# Altium PCB PCB_v4.PcbDoc (part 6 of 7) (continued)
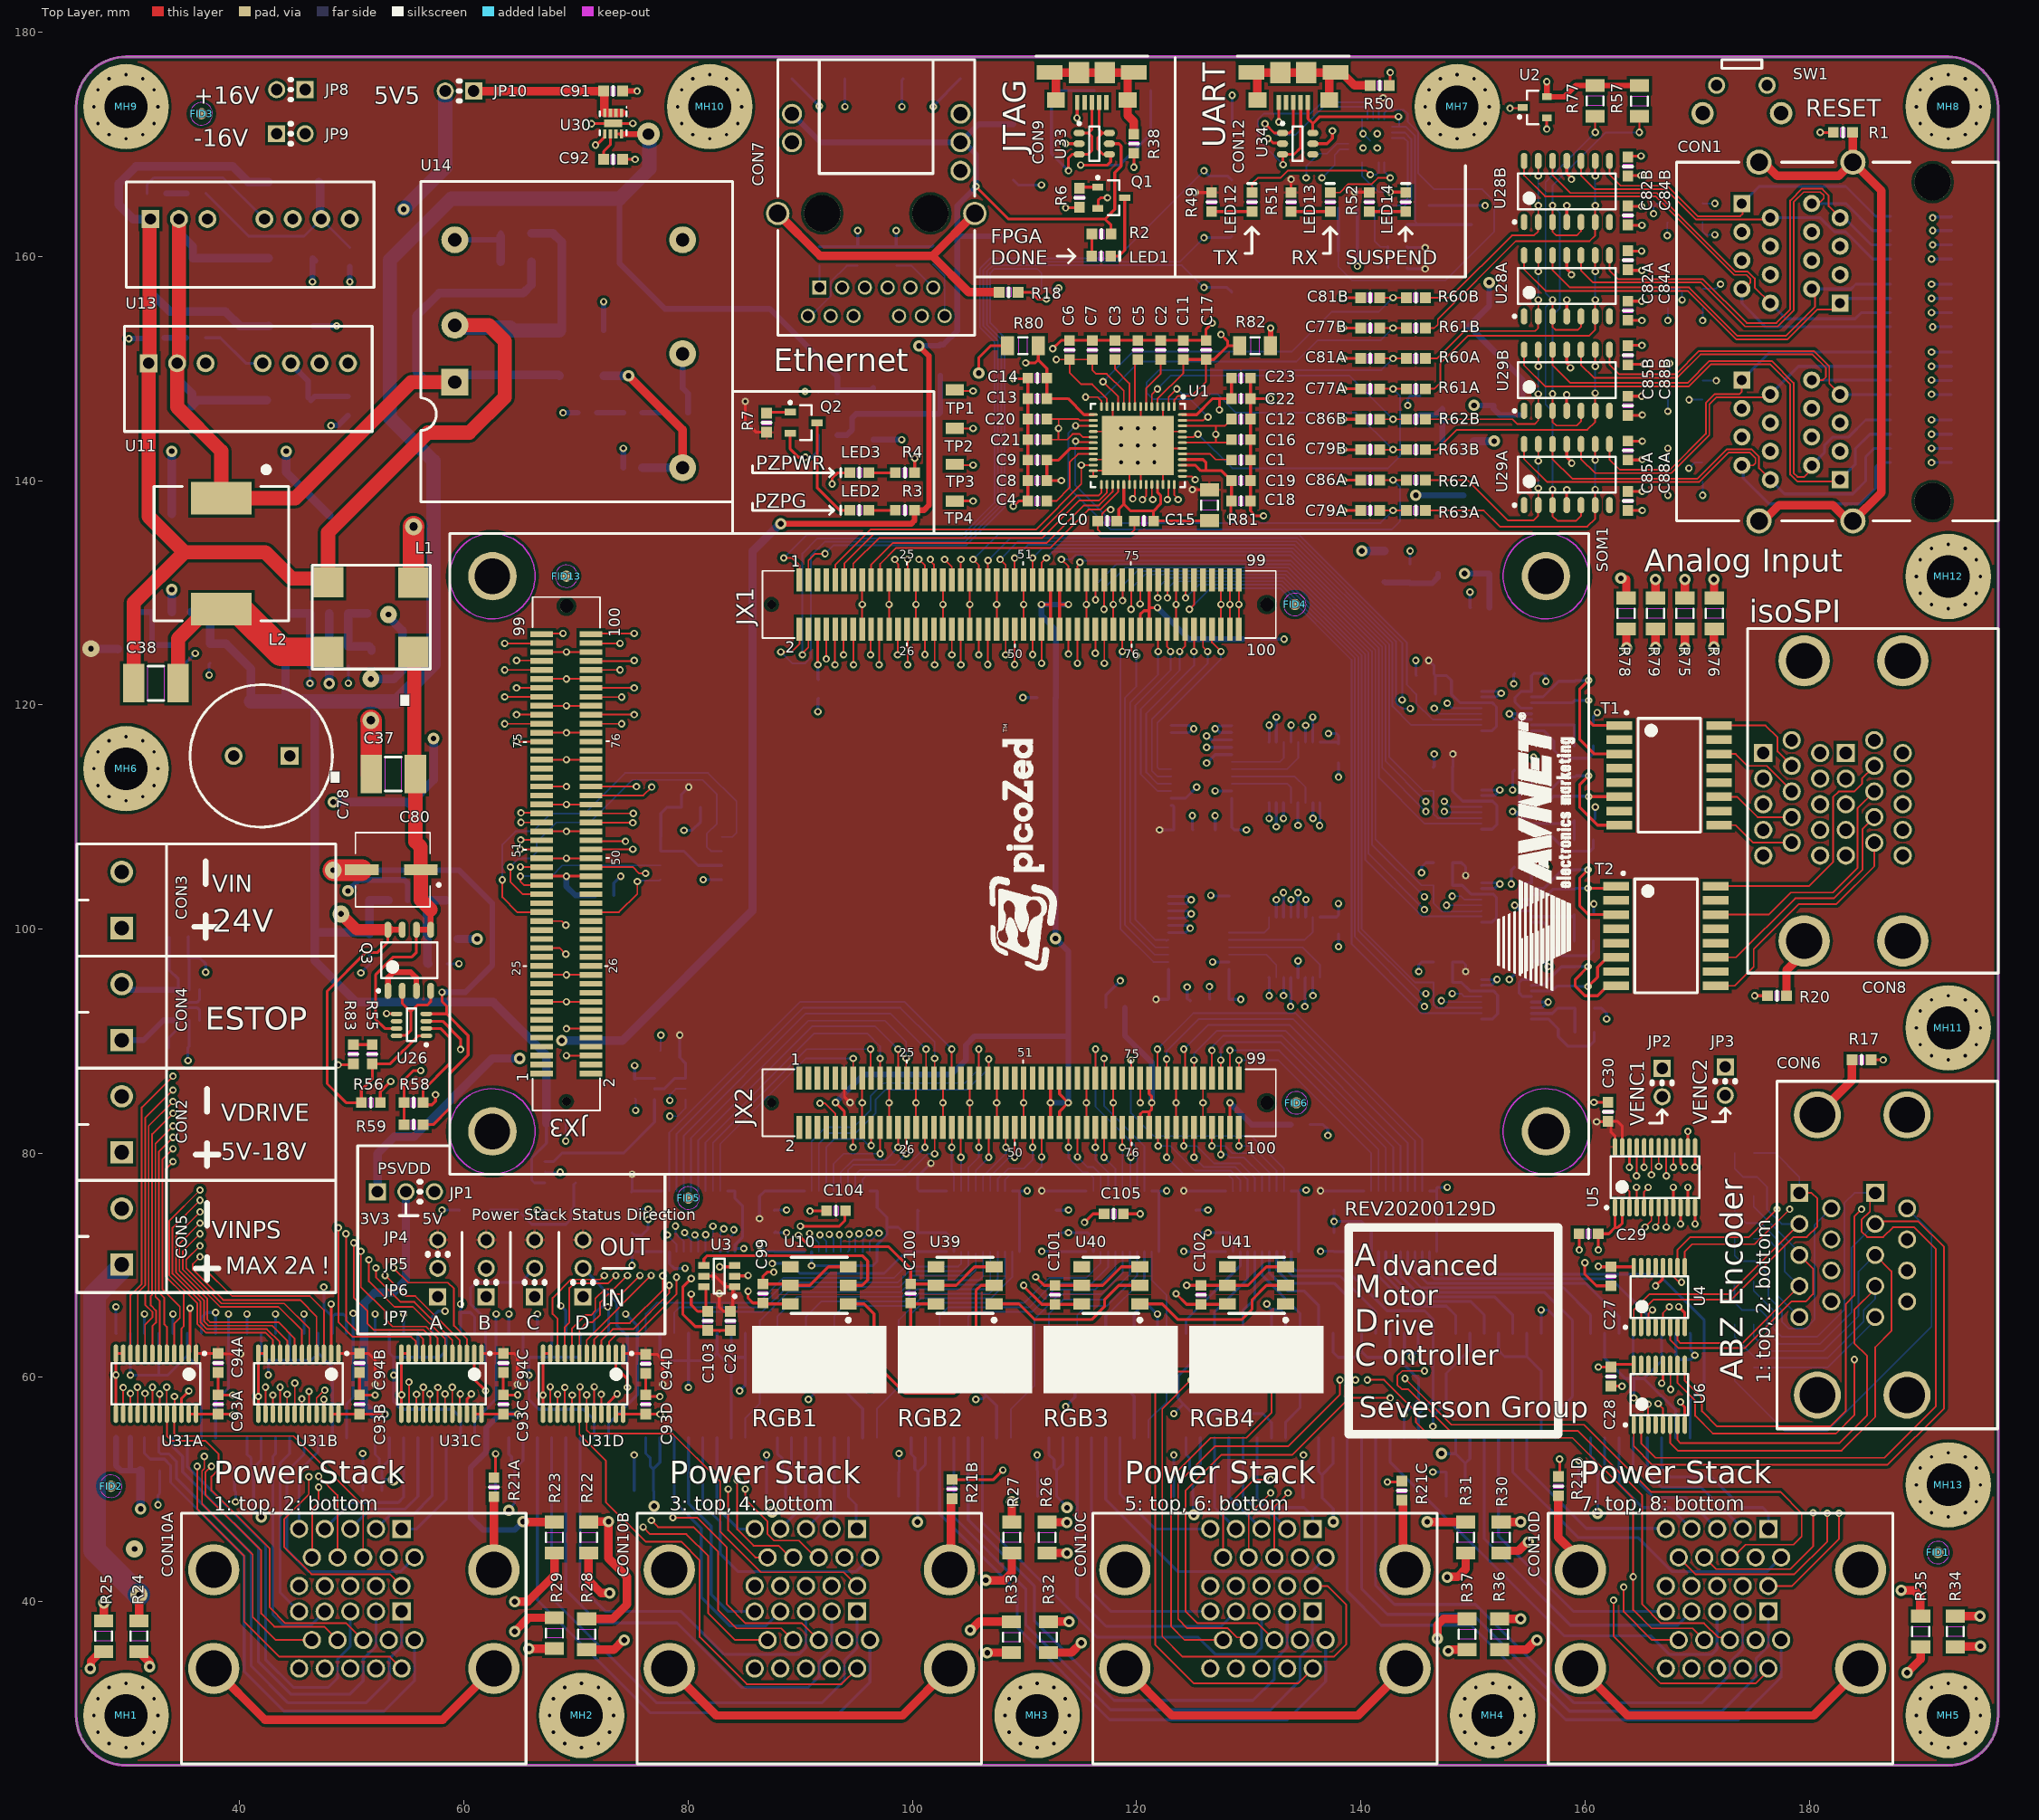
[diagram p0: Top Layer view]
## Nets (pads, with @x,y where several pads share a name; then routed paths per layer and width w, separated by ;. In a path a pad name is that pad's centre, name@x,y a point inside that pad or via, vN(x,y) a via of type N, cw(c..) or ccw(c..) an arc to the next point about the centre after c; other vN are vias at no path point) (continued)
NetR43_1: R43.1 R44.2 | length 2.4
  Bottom Layer w0.508: R44.2@75.907,146.063 R43.1@78.271,146.063
NetR43_2: R43.2 U14.5 | length 5.4
  Bottom Layer w0.508: U14.5@79.502,151.317 79.502,148.243 79.971,147.774 R43.2@79.971,146.063
NetR44_1: R44.1 R45.2 | length 2.4
  Bottom Layer w0.508: R45.2@71.843,146.063 R44.1@74.207,146.063
NetR46_1: R46.1 R47.1 U14.3 | length 6.8
  Bottom Layer w0.508: U14.3@59.182,161.477 62.947,161.477 63.268,161.798 R47.1@63.268,162.052
  Bottom Layer w0.762: R46.1@63.268,159.512 R47.1@63.268,161.798
NetR48_1: R48.1 U22.8 | length 10.9
  Bottom Layer w0.152: R48.1@142.41,162.777 142.41,163.605 142.762,163.957 143.356,163.957 144.499,165.1 144.499,170.465 143.907,171.057 U22.8@142.768,171.057
NetR53_2: R53.2 R54.2 U22.9 | length 15.8
  Bottom Layer w0.152: R54.2@142.41,160.853 141.753,160.853 141.224,161.382 141.224,163.736 142.021,164.533 143.501,164.533 144.194,165.226 144.194,170.223 143.86,170.557 U22.9@142.768,170.557
  Bottom Layer w0.254: R53.2@142.41,158.968 R54.2@142.41,160.853
NetR55_2: R55.2 R83.2 | length 1.7
  Top Layer w0.254: R83.2@50.126,89.68 R55.2@51.816,89.68
NetR56_2: R56.2 U26.5 | length 9.4
  Top Layer w0.254: R56.2@52.539,84.512 52.539,85.478 v1(53.467,86.406) ; v1(53.086,92.456) 53.954,92.456 U26.5@53.985,92.425
  Int3 (Sign) w0.254: v1(53.086,92.456) 53.086,89.601 53.467,89.22 v1(53.467,86.406)
NetR57_1: R57.1 R77.1 R82.1 U2.2 | length 49.7
  Top Layer w0.508: R82.1@131.931,152.031 131.953,152.053 v1(131.953,153.605) ; v1(156.588,175.586) U2.2@156.588,174.24 158.161,174.24 159.169,175.248 R77.1@160.909,175.248 ; R77.1@160.914,175.243 R57.1@164.841,175.243
  Top Layer w0.762: R77.1@160.909,175.248 R77.1@160.914,175.243 ; R57.1@164.841,175.243 R57.1@164.846,175.238
  Int2 (Sign) w0.508: v1(131.953,153.605) 131.953,156.845 137.033,161.925 143.316,161.925 147.09,165.699 150.919,165.699 155.448,170.228 155.448,174.446 v1(156.588,175.586)
NetR58_1: R58.1 R59.1 U26.3 | length 14.8
  Top Layer w0.254: R59.1@54.649,82.55 R58.1@54.649,84.512 54.649,86.526 55.499,87.376 v1(56.134,87.376) ; U26.3@56.635,91.775 58.096,91.775 59.69,90.181 v1(59.69,89.254)
  Int3 (Sign) w0.254: v1(56.134,87.376) 57.812,87.376 v1(59.69,89.254)
NetR58_2: R58.2 R83.1 U26.2 | length 22.3
  Top Layer w0.254: v1(48.768,87.884) 50.03,87.884 R83.1@50.126,87.98 ; U26.2@56.635,91.125 57.901,91.125 58.718,90.308 58.718,87.976 56.349,85.607 R58.2@56.349,84.512 56.539,84.322 57.133,84.322 57.455,84.644 v1(57.455,85.217)
  Int3 (Sign) w0.254: v1(48.768,87.884) 51.435,85.217 v1(57.455,85.217)
NetU3_4: U3.4 U10.2 | length 19.1
  Top Layer w0.254: U3.4@81.396,69.985 81.396,70.562 81.7,70.866 95.518,70.866 96.005,70.379 96.005,68.7 95.517,68.212 U10.2@94.289,68.212
NetU10_1: U10.1 U39.2 | length 27.1
  Top Layer w0.254: U10.1@94.289,66.562 95.691,66.562 96.572,65.681 96.572,61.351 99.333,58.59 103.733,58.59 105.664,60.521 105.664,67.753 106.123,68.212 U39.2@107.289,68.212
NetU23A_1: U23A.1 U24A.21 | length 12.1
  Bottom Layer w0.254: U24A.21@141.579,71.214 141.579,69.041 144.261,66.359 147.636,66.359 148.463,65.532 U23A.1@148.463,63.93
NetU23A_3: U23A.3 U24A.20 | length 14
  Bottom Layer w0.254: U24A.20@142.229,71.214 142.229,69.041 144.505,66.765 149.819,66.765 151.003,65.581 U23A.3@151.003,63.93
NetU23A_5: U23A.5 U24A.19 | length 15.9
  Bottom Layer w0.254: U24A.19@142.879,71.214 142.879,69.041 144.749,67.171 151.956,67.171 153.543,65.585 U23A.5@153.543,63.93
NetU23A_9: U23A.9 U24A.18 | length 30.3
  Bottom Layer w0.254: U24A.18@143.529,71.214 143.529,69.069 145.02,67.578 156.396,67.578 158.877,65.096 158.877,58.293 157.353,56.769 U23A.9@157.353,54.61
NetU23B_1: U23B.1 U24B.21 | length 9.3
  Bottom Layer w0.254: U23B.1@124.406,63.93 124.406,65.121 129.244,69.959 U24B.21@129.244,71.214
NetU23B_3: U23B.3 U24B.20 | length 8.5
  Bottom Layer w0.254: U23B.3@126.946,63.93 126.946,65.835 129.894,68.783 U24B.20@129.894,71.214
NetU23B_5: U23B.5 U24B.19 | length 7.7
  Bottom Layer w0.254: U23B.5@129.486,63.93 129.486,65.945 130.544,67.003 U24B.19@130.544,71.214
NetU23B_9: U23B.9 U24B.18 | length 18.5
  Bottom Layer w0.254: U24B.18@131.194,71.214 131.194,69.105 134.567,65.732 134.567,57.294 133.296,56.023 U23B.9@133.296,54.61
NetU23C_1: U23C.1 U24C.21 | length 21.5
  Bottom Layer w0.152: U23C.1@99.888,63.93 99.888,65.653 100.883,66.648 109.972,66.648 112.202,68.878 115.487,68.878 116.77,70.161 116.77,71.186 U24C.21@116.798,71.214
NetU23C_3: U23C.3 U24C.20 | length 19.8
  Bottom Layer w0.152: U23C.3@102.428,63.93 102.428,65.52 103.149,66.242 110.403,66.242 112.568,68.406 116.026,68.406 117.448,69.828 U24C.20@117.448,71.214
NetU23C_5: U23C.5 U24C.19 | length 18
  Bottom Layer w0.152: U23C.5@104.968,63.93 104.968,65.432 105.371,65.835 110.647,65.835 112.655,67.843 116.325,67.843 118.098,69.616 U24C.19@118.098,71.214
NetU23C_9: U23C.9 U24C.18 | length 22.9
  Bottom Layer w0.152: U23C.9@108.778,54.61 108.778,57.144 110.871,59.237 110.871,65.187 113.121,67.437 116.869,67.437 118.749,69.317 U24C.18@118.748,71.214 U24C.18@118.748,71.214
NetU23D_1: U23D.1 U24D.21 | length 32.8
  Bottom Layer w0.152: U23D.1@76.212,63.93 76.212,65.674 77.186,66.648 86.241,66.648 88.471,68.878 98.362,68.878 99.383,69.899 104.09,69.899 104.352,70.161 U24D.21@104.352,71.214
NetU23D_3: U23D.3 U24D.20 | length 31.1
  Bottom Layer w0.152: U23D.3@78.752,63.93 78.752,65.784 79.209,66.242 86.409,66.242 88.639,68.472 98.684,68.472 99.705,69.493 104.525,69.493 105.002,69.97 U24D.20@105.002,71.214
NetU23D_5: U23D.5 U24D.19 | length 29
  Bottom Layer w0.152: U23D.5@81.292,63.93 81.325,63.963 81.325,65.411 81.749,65.835 86.578,65.835 88.808,68.065 98.852,68.065 99.873,69.086 105.14,69.086 105.652,69.598 U24D.19@105.652,71.043
NetU23D_9: U23D.9 U24D.18 | length 34.7
  Bottom Layer w0.152: U23D.9@85.102,54.61 85.102,56.377 86.389,57.664 86.389,65.071 88.922,67.605 98.967,67.605 100.042,68.68 105.967,68.68 106.302,69.014 U24D.18@106.302,71.214
NetU23E_1: U23E.1 U24E.21 | length 77.3
  Int3 (Sign) w0.152: v1(52.07,65.659) 53.365,65.659 54.102,64.922 56.814,64.922 57.423,64.313 60.445,64.313 61.435,63.322 98.897,63.322 102.247,66.672 102.247,74.44 100.843,75.844 93.821,75.844 v1(90.821,72.844)
  Bottom Layer w0.152: v1(90.821,72.844) 91.652,72.013 U24E.21@91.652,71.214
  Bottom Layer w0.254: U23E.1@52.07,63.93 v1(52.07,65.659)
NetU23E_3: U23E.3 U24E.20 | length 71.3
  Int3 (Sign) w0.152: v1(54.61,65.659) 57.264,65.659 57.895,65.028 60.895,65.028 62.296,63.627 98.192,63.627 101.549,66.984 101.549,74.135 100.145,75.54 94.577,75.54 v1(91.753,72.716)
  Bottom Layer w0.152: v1(91.753,72.716) 92.302,72.166 U24E.20@92.302,71.214
  Bottom Layer w0.254: U23E.3@54.61,63.93 v1(54.61,65.659)
NetU23E_5: U23E.5 U24E.19 | length 65.4
  Int3 (Sign) w0.152: v1(58.305,65.913) 61.283,65.913 63.264,63.932 97.31,63.932 100.711,67.332 100.711,73.89 99.367,75.235 95.062,75.235 v1(92.591,72.763)
  Bottom Layer w0.152: v1(92.591,72.763) 92.952,72.402 U24E.19@92.952,71.214
  Bottom Layer w0.254: U23E.5@57.15,63.93 57.15,65.376 57.687,65.913 v1(58.305,65.913)
NetU23E_9: U23E.9 U24E.18 | length 66.1
  Int3 (Sign) w0.152: v1(62.861,65.654) 64.279,64.237 96.748,64.237 99.979,67.468 99.979,73.233 98.536,74.676 95.433,74.676 v1(93.484,72.726)
  Bottom Layer w0.152: v1(93.484,72.726) 93.602,72.609 U24E.18@93.602,71.214
  Bottom Layer w0.254: U23E.9@60.96,54.61 60.96,56.181 62.861,58.082 v1(62.861,65.654)
NetU23F_1: U23F.1 U24F.21 | length 132.8
  Int3 (Sign) w0.152: v1(28.95,66.294) 34.36,60.884 104.394,60.884 108.252,64.742 108.252,75.341 105.106,78.486 82.169,78.486 78.123,74.44 v1(78.123,72.71)
  Bottom Layer w0.152: v1(78.123,72.71) 78.952,71.882 U24F.21@78.952,71.214
  Bottom Layer w0.254: v1(28.95,66.294) 28.95,63.936 U23F.1@28.956,63.93
NetU23F_3: U23F.3 U24F.20 | length 126.2
  Int3 (Sign) w0.152: v1(31.496,65.659) 32.537,64.618 36.656,64.618 40.085,61.189 103.784,61.189 107.642,65.046 107.642,75.223 104.887,77.978 82.791,77.978 78.867,74.054 v1(78.867,73.495)
  Bottom Layer w0.152: v1(78.867,73.495) 78.867,72.871 79.602,72.136 U24F.20@79.602,71.214
  Bottom Layer w0.254: U23F.3@31.496,63.93 v1(31.496,65.659)
NetU23F_5: U23F.5 U24F.19 | length 120.5
  Int3 (Sign) w0.152: v1(34.036,65.659) 34.081,65.614 36.85,65.614 37.846,64.618 39.04,64.618 42.164,61.493 103.022,61.493 106.934,65.405 106.934,75.096 104.357,77.673 83.461,77.673 79.678,73.89 v1(79.678,72.914)
  Bottom Layer w0.152: v1(79.678,72.914) 79.678,72.844 80.252,72.271 U24F.19@80.252,71.214
  Bottom Layer w0.254: U23F.5@34.036,63.93 v1(34.036,65.659)
NetU23F_9: U23F.9 U24F.18 | length 122.2
  Int3 (Sign) w0.152: v1(38.989,65.654) 42.213,62.43 47.916,62.43 48.548,61.798 102.387,61.798 106.299,65.71 106.299,74.93 103.861,77.368 84.166,77.368 80.602,73.805 v1(80.602,72.71)
  Bottom Layer w0.152: v1(80.602,72.71) 80.602,72.57 80.902,72.271 U24F.18@80.902,71.214
  Bottom Layer w0.254: U23F.9@37.846,54.61 37.846,57.912 38.989,59.055 v1(38.989,65.654)
NetU24A_14: U24A.14 U25A.9 | length 38.7
  Bottom Layer w0.254: U24A.14@146.129,71.214 146.129,70.025 146.951,69.203 166.53,69.203 170.637,65.096 170.637,59.207 169.372,57.942 U25A.9@169.372,54.61
NetU24A_15: U24A.15 U25A.5 | length 24.9
  Bottom Layer w0.254: U24A.15@145.479,71.214 145.479,69.849 146.532,68.797 162.343,68.797 165.562,65.578 U25A.5@165.562,63.93
NetU24A_16: U24A.16 U25A.3 | length 23.1
  Bottom Layer w0.254: U24A.16@144.829,71.214 144.829,69.511 145.95,68.391 160.082,68.391 163.022,65.451 U25A.3@163.022,63.93
NetU24A_17: U24A.17 U25A.1 | length 21.5
  Bottom Layer w0.254: U24A.17@144.179,71.214 144.179,69.203 145.399,67.984 158.076,67.984 160.482,65.578 U25A.1@160.482,63.93
NetU24B_14: U24B.14 U25B.9 | length 27
  Bottom Layer w0.254: U24B.14@133.794,71.214 133.794,69.917 134.2,69.511 138.784,69.511 142.343,65.952 145.676,65.952 146.431,65.197 146.431,58.018 145.137,56.724 U25B.9@145.137,54.61
NetU24B_15: U24B.15 U25B.5 | length 13.1
  Bottom Layer w0.254: U24B.15@133.144,71.214 133.172,71.186 133.172,69.783 133.914,69.041 138.137,69.041 141.327,65.851 U25B.5@141.327,63.93
NetU24B_16: U24B.16 U25B.3 | length 12.2
  Bottom Layer w0.254: U24B.16@132.494,71.214 132.494,69.598 133.685,68.406 137.616,68.406 138.787,67.236 U25B.3@138.787,63.93
NetU24B_17: U24B.17 U25B.1 | length 10
  Bottom Layer w0.254: U24B.17@131.844,71.214 131.844,69.312 133.444,67.712 134.921,67.712 136.247,66.386 U25B.1@136.247,63.93
NetU24C_14: U24C.14 U25C.9 | length 17.8
  Bottom Layer w0.152: U25C.9@121.052,54.61 121.052,56.169 122.682,57.799 122.682,67.331 121.348,68.666 U24C.14@121.348,71.214
NetU24C_15: U24C.15 U25C.5 | length 8.7
  Bottom Layer w0.152: 117.242,65.422 120.698,68.878
  Bottom Layer w0.254: U25C.5@117.242,63.93 117.242,65.422 ; 120.698,68.878 U24C.15@120.698,71.214
NetU24C_16: U24C.16 U25C.3 | length 10.5
  Bottom Layer w0.152: U25C.3@114.702,63.93 114.702,65.532 115.556,66.386 117.35,66.386 120.048,69.084 U24C.16@120.048,71.214
NetU24C_17: U24C.17 U25C.1 | length 12.4
  Bottom Layer w0.152: U25C.1@112.162,63.93 112.162,65.651 113.439,66.929 117.127,66.929 119.398,69.2 U24C.17@119.398,71.214
NetU24D_14: U24D.14 U25D.9 | length 25.3
  Bottom Layer w0.152: U25D.9@96.833,54.61 96.833,57.209 98.784,59.16 98.784,65.123 100.715,67.054 107.005,67.054 108.902,68.951 U24D.14@108.902,71.214
NetU24D_15: U24D.15 U25D.5 | length 20.5
  Bottom Layer w0.152: U25D.5@93.023,63.93 93.023,65.479 93.929,66.386 99.472,66.386 100.547,67.461 106.837,67.461 108.252,68.875 U24D.15@108.252,71.214
NetU24D_16: U24D.16 U25D.3 | length 22.4
  Bottom Layer w0.152: U25D.3@90.483,63.93 90.483,65.37 91.905,66.792 99.303,66.792 100.378,67.867 106.669,67.867 107.602,68.8 U24D.16@107.602,71.214
NetU24D_17: U24D.17 U25D.1 | length 24.4
  Bottom Layer w0.152: U25D.1@87.943,63.93 87.943,65.426 89.715,67.199 99.135,67.199 100.21,68.274 106.5,68.274 106.952,68.725 U24D.17@106.952,71.214
NetU24E_14: U24E.14 U25E.9 | length 40.2
  Int3 (Sign) w0.152: v1(74.422,65.659) 89.693,65.659 96.903,72.869 v1(97.017,72.869)
  Bottom Layer w0.152: U24E.14@96.202,71.214 96.202,72.123 96.948,72.869 v1(97.017,72.869)
  Bottom Layer w0.254: U25E.9@72.889,54.61 72.889,55.871 75.464,58.446 75.464,64.617 v1(74.422,65.659)
NetU24E_15: U24E.15 U25E.5 | length 35.4
  Int3 (Sign) w0.152: v1(68.629,66.386) 68.634,66.386 69.338,65.683 73.656,65.683 74.191,66.218 89.459,66.218 96.137,72.896 v1(96.139,72.896)
  Bottom Layer w0.152: U24E.15@95.58,71.186 U24E.15@95.552,71.214 95.58,71.242 95.58,72.334 96.139,72.893 v1(96.139,72.896)
  Bottom Layer w0.254: v1(68.629,66.386) 69.079,65.936 U25E.5@69.079,63.93
NetU24E_16: U24E.16 U25E.3 | length 41.5
  Int3 (Sign) w0.152: v1(66.539,65.654) 68.593,65.654 69.401,64.846 89.999,64.846 97.587,72.434 97.587,73.108 97.111,73.584 95.999,73.584 v1(95.235,72.819)
  Bottom Layer w0.152: U24E.16@94.902,71.214 94.902,72.392 95.235,72.725 v1(95.235,72.819)
  Bottom Layer w0.254: U25E.3@66.539,63.93 v1(66.539,65.654)
NetU24E_17: U24E.17 U25E.1 | length 51.1
  Int3 (Sign) w0.152: v1(64.008,65.659) 65.421,65.659 66.539,64.541 95.742,64.541 98.971,67.77 98.971,73.157 97.992,74.135 95.677,74.135 94.361,72.82 v1(94.361,72.771)
  Bottom Layer w0.152: U24E.17@94.252,71.214 94.361,71.323 v1(94.361,72.771)
  Bottom Layer w0.254: U25E.1@63.999,63.93 64.003,63.935 64.003,65.654 v1(64.008,65.659)
NetU24F_14: U24F.14 U25F.9 | length 98
  Int3 (Sign) w0.152: v1(50.109,65.718) 50.882,65.718 51.765,64.835 53.123,64.835 53.721,64.237 56.365,64.237 56.975,63.627 60.035,63.627 60.645,63.017 99.593,63.017 103.022,66.446 103.022,74.676 101.549,76.149 87.047,76.149 v1(84.074,73.177)
  Bottom Layer w0.152: U24F.14@83.53,71.242 83.53,72.268 84.074,72.813 v1(84.074,73.177)
  Bottom Layer w0.254: U25F.9@49.53,54.61 49.53,57.644 50.109,58.224 v1(50.109,65.718) ; U24F.14@83.502,71.214 U24F.14@83.53,71.242
NetU24F_15: U24F.15 U25F.5 | length 96
  Int3 (Sign) w0.152: v1(45.72,65.659) 48.514,65.659 50.165,64.008 52.98,64.008 53.361,63.627 55.899,63.627 56.814,62.713 100.381,62.713 103.861,66.192 103.861,74.841 102.247,76.454 86.36,76.454 v1(83.165,73.259)
  Bottom Layer w0.152: U24F.15@82.88,71.242 82.88,72.974 v1(83.165,73.259)
  Bottom Layer w0.254: U25F.5@45.72,63.93 v1(45.72,65.659) ; U24F.15@82.852,71.214 U24F.15@82.88,71.242
NetU24F_16: U24F.16 U25F.3 | length 101.8
  Int3 (Sign) w0.152: v1(43.18,65.659) 44.221,64.618 48.26,64.618 49.86,63.017 55.524,63.017 56.134,62.408 101.032,62.408 104.648,66.024 104.648,74.9 102.789,76.759 85.482,76.759 v1(82.21,73.486)
  Bottom Layer w0.152: U24F.16@82.202,71.214 82.202,73.478 v1(82.21,73.486)
  Bottom Layer w0.254: U25F.3@43.18,63.93 v1(43.18,65.659)
NetU24F_17: U24F.17 U25F.1 | length 107.3
  Int3 (Sign) w0.152: v1(40.64,65.659) 42.945,63.354 48.168,63.354 49.42,62.103 101.651,62.103 105.41,65.862 105.41,75.096 103.443,77.064 84.985,77.064 81.552,73.63 v1(81.552,72.729)
  Bottom Layer w0.152: U24F.17@81.552,71.214 v1(81.552,72.729)
  Bottom Layer w0.254: U25F.1@40.64,63.93 v1(40.64,65.659)
NetU31E_7: U31E.7
NetU31E_8: U31E.8
NetU31E_9: U31E.9
NetU31E_10: U31E.10
NetU31F_14: U31F.14
NetU31F_15: U31F.15
NetU31F_16: U31F.16
NetU31F_17: U31F.17
NetU39_1: U39.1 U40.2 | length 15.2
  Top Layer w0.254: U39.1@107.289,66.562 109.509,66.562 110.92,65.151 115.978,65.151 117.127,66.3 117.127,66.929 118.41,68.212 U40.2@120.289,68.212
NetU40_1: U40.1 U41.2 | length 15.3
  Top Layer w0.254: U40.1@120.289,66.562 122.287,66.562 123.698,65.151 129.373,65.151 130.302,66.08 130.302,66.929 131.585,68.212 U41.2@133.289,68.212
OUT1A: U4.3 U5.3 | length 16.4
  Top Layer w0.152: v1(163.59,76.962) 163.968,76.584 U5.3@163.968,75.151 ; U4.3@165.648,64.467 165.648,65.653 v1(166.014,66.019)
  Int2 (Sign) w0.152: v1(163.59,76.962) 162.687,76.059 162.687,69.346 v1(166.014,66.019)
OUT1B: U4.5 U5.4 | length 17
  Top Layer w0.152: v1(164.592,76.962) 164.605,76.949 164.605,75.164 U5.4@164.618,75.151 ; U4.5@166.948,64.467 166.948,65.729 v1(167.513,66.294)
  Int2 (Sign) w0.152: v1(164.592,76.962) 163.59,75.96 163.59,69.455 166.751,66.294 v1(167.513,66.294)
OUT1Z: U4.11 U5.5 | length 15.3
  Top Layer w0.152: U5.5@165.268,75.151 165.268,76.569 165.629,76.931 v1(165.629,76.962) ; U4.11@167.598,69.867 167.598,69.267 168.284,68.582 168.516,68.582 v1(168.603,68.495)
  Int2 (Sign) w0.152: v1(165.629,76.962) 164.592,75.925 164.592,71.073 167.17,68.495 v1(168.603,68.495)
OUT2A: U5.6 U6.3 | length 24
  Top Layer w0.152: v1(165.354,73.406) 165.918,73.97 U5.6@165.918,75.151 ; v1(165.629,57.61) 165.629,55.779 U6.3@165.648,55.76
  Int2 (Sign) w0.152: v1(165.354,73.406) 165.354,71.58 167.032,69.902 168.898,69.902 169.494,69.306 169.494,65.1 165.629,61.235 v1(165.629,57.61)
OUT2B: U5.7 U6.5 | length 24.5
  Top Layer w0.152: v1(166.298,73.406) 166.298,73.53 166.568,73.799 U5.7@166.568,75.151 ; v1(166.532,57.666) 166.948,57.25 U6.5@166.948,55.76
  Int2 (Sign) w0.152: v1(166.298,73.406) 166.298,71.824 167.202,70.92 169.168,70.92 170.307,69.781 170.307,64.665 166.014,60.372 166.014,58.319 166.532,57.802 v1(166.532,57.666)
OUT2Z: U5.8 U6.11 | length 22.8
  Top Layer w0.152: U5.8@167.218,75.151 167.259,75.11 v1(167.259,73.406) ; U6.11@167.598,61.16 167.619,61.14 167.619,58.949 v1(167.64,58.928)
  Int2 (Sign) w0.152: v1(167.259,73.406) 167.259,72.078 167.513,71.824 169.603,71.824 171.196,70.231 171.196,62.484 v1(167.64,58.928)
SH_AGND: CON1.SH1 CON1.SH2 CON1.SH3 CON1.SH4 R1.2 | length 55.7
  Top Layer w0.762: CON1.SH1@175.514,136.398 175.899,136.398 177.31,137.809 182.1,137.809 183.511,136.398 CON1.SH2@183.896,136.398 186.436,138.938 186.436,165.862 CON1.SH4@183.896,168.402 ; CON1.SH3@175.514,168.402 175.917,168.402 177.148,167.171 182.626,167.171 183.877,168.421 183.877,171.038 R1.2@183.857,171.057
SH_ENC: CON6.SH1 CON6.SH2 CON6.SH3 CON6.SH4 R17.1 | length 51.2
  Top Layer w0.762: CON6.SH4@180.722,83.42 183.816,86.514 R17.1@183.816,88.328
  Int3 (Sign) w0.762: CON6.SH1@180.722,58.42 CON6.SH2@188.722,58.42 193.548,63.246 193.548,78.594 CON6.SH3@188.722,83.42 CON6.SH4@180.722,83.42
SH_ETH: CON7.18 CON7.19 R18.2 | length 28
  Top Layer w0.762: CON7.18@87.986,163.83 91.77,160.046 101.778,160.046 ; CON7.19@105.562,163.83 101.778,160.046 ; R18.2@107.735,156.801 105.023,156.801 101.778,160.046
SH_GND_INV_1: CON10A.SH1 CON10A.SH2 CON10A.SH3 CON10A.SH4 R21A.1 | length 52.9
  Top Layer w0.762: CON10A.SH2@37.668,34.036 42.24,29.464 58.09,29.464 CON10A.SH1@62.662,34.036 ; CON10A.SH4@62.662,42.836 R21A.1@62.662,49.359
  Int2 (Sign) w0.762: CON10A.SH2@37.668,34.036 CON10A.SH3@37.668,42.836
  Int3 (Sign) w0.762: CON10A.SH1@62.662,34.036 CON10A.SH4@62.662,42.836
SH_GND_INV_2: CON10B.SH1 CON10B.SH2 CON10B.SH3 CON10B.SH4 R21B.1 | length 52.5
  Top Layer w0.762: CON10B.SH2@78.308,34.036 82.499,29.845 99.111,29.845 CON10B.SH1@103.302,34.036 ; CON10B.SH4@103.302,42.836 103.438,42.972 103.438,49.094 R21B.1@103.532,49.188
  Int3 (Sign) w0.762: CON10B.SH2@78.308,34.036 CON10B.SH3@78.308,42.836 ; CON10B.SH1@103.302,34.036 CON10B.SH4@103.302,42.836
SH_GND_INV_3: CON10C.SH1 CON10C.SH2 CON10C.SH3 CON10C.SH4 R21C.1 | length 52.4
  Top Layer w0.762: CON10C.SH2@118.948,34.036 123.139,29.845 139.751,29.845 CON10C.SH1@143.942,34.036 ; R21C.1@143.654,49.053 143.748,48.959 143.748,43.029 CON10C.SH4@143.942,42.836
  Int3 (Sign) w0.762: CON10C.SH2@118.948,34.036 CON10C.SH3@118.948,42.836 ; CON10C.SH1@143.942,34.036 CON10C.SH4@143.942,42.836
SH_GND_INV_4: CON10D.SH1 CON10D.SH2 CON10D.SH3 CON10D.SH4 R21D.1 | length 53.5
  Top Layer w0.762: R21D.1@157.619,49.446 157.619,45.716 159.588,43.747 CON10D.SH3@159.588,42.836 ; CON10D.SH2@159.588,34.036 163.779,29.845 180.391,29.845 CON10D.SH1@184.582,34.036
  Int3 (Sign) w0.762: CON10D.SH2@159.588,34.036 CON10D.SH3@159.588,42.836 ; CON10D.SH1@184.582,34.036 CON10D.SH4@184.582,42.836
SH_JTAG: CON9.SH R38.1 | length 15.9
  Top Layer w0.762: CON9.SH@112.249,176.403 CON9.SH@112.53,176.403 ; CON9.SH@112.799,173.953 112.799,176.134 CON9.SH@112.53,176.403 ; CON9.SH@119.749,176.403 CON9.SH@119.468,176.403 ; R38.1@119.752,170.903 119.752,172.011 119.199,172.565 CON9.SH@119.199,173.953 119.199,176.134 CON9.SH@119.468,176.403 ; CON9.SH@112.53,176.403 CON9.SH@114.849,176.403 CON9.SH@117.149,176.403 CON9.SH@119.468,176.403
SH_SPI: CON8.SH1 CON8.SH2 CON8.SH3 CON8.SH4 R20.2 | length 51.8
  Top Layer w0.762: R20.2@177.972,94.043 177.972,96.333 CON8.SH3@179.541,97.902
  Int3 (Sign) w0.762: CON8.SH3@179.541,97.902 CON8.SH3@179.541,98.933 CON8.SH2@188.341,98.933 192.786,103.378 192.786,119.482 CON8.SH1@188.341,123.927 CON8.SH4@179.541,123.927
SH_USBUART: CON12.SH R50.1 | length 16.2
  Top Layer w0.762: CON12.SH@130.228,176.403 CON12.SH@130.509,176.403 ; CON12.SH@130.778,173.953 130.778,176.134 CON12.SH@130.509,176.403 ; CON12.SH@137.178,173.953 137.178,176.134 CON12.SH@137.447,176.403 ; R50.1@140.826,175.248 139.446,175.248 138.56,176.134 137.997,176.134 CON12.SH@137.728,176.403 CON12.SH@137.447,176.403 ; CON12.SH@130.509,176.403 CON12.SH@132.828,176.403 CON12.SH@135.128,176.403 CON12.SH@137.447,176.403
SPI1_IM: CON8.8A T1.14 | length 7.9
  Top Layer w0.152: T1.14@171.958,115.611 173.441,115.611 174.498,114.554 176.225,114.554 178.435,112.344 CON8.8A@178.435,112.268
SPI1_IN: U7.5 U31E.21 | length 6.8
  Bottom Layer w0.152: U31E.21@128.477,112.965 133.436,112.965 133.761,112.64 U7.5@133.761,111.273
SPI1_IN_N: CON8.3A U7.7 | length 49.7
  Int2 (Sign) w0.152: v1(132.461,109.119) 133.456,109.119 135.604,111.266 140.349,111.266 143.082,108.534 171.184,108.534 174.766,112.116 175.157,112.116 175.895,111.377 CON8.3A@175.895,111.125
  Bottom Layer w0.254: v1(132.461,109.119) U7.7@132.461,111.273
SPI1_IN_P: CON8.2A U7.6 | length 48.1
  Int2 (Sign) w0.152: v1(133.096,109.857) 133.102,109.863 133.769,109.863 135.478,111.571 140.476,111.571 143.208,108.839 171.058,108.839 174.64,112.42 175.157,112.42 175.895,113.159 CON8.2A@175.895,113.411
  Bottom Layer w0.254: v1(133.096,109.857) 133.104,109.865 133.104,111.265 U7.6@133.111,111.273
SPI1_IP: CON8.7A T1.16 | length 8.7
  Top Layer w0.152: T1.16@171.958,118.151 176.108,118.151 177.165,117.094 177.165,115.824 CON8.7A@178.435,114.554
SPI1_OUT: U8.7 U31F.21 | length 5.7
  Bottom Layer w0.152: U31F.21@128.252,97.716 131.553,97.716 132.461,96.807 U8.7@132.461,95.666
SPI1_OUT_N: CON8.13A U8.5 | length 74.4
  Int3 (Sign) w0.152: v1(133.731,93.091) 133.668,93.154 133.668,93.535 136.491,96.358 138.522,96.358 141.516,99.352 170.18,99.352 174.041,103.213 174.041,116.714 175.513,118.186 178.718,118.186 179.527,117.377 179.527,112.955 180.367,112.116 180.619,112.116 180.708,112.026 180.708,111.392 CON8.13A@180.975,111.125
  Bottom Layer w0.254: v1(133.731,93.091) 133.746,93.106 133.746,95.65 U8.5@133.761,95.666
SPI1_OUT_P: CON8.12A U8.6 | length 73.6
  Int3 (Sign) w0.152: v1(133.111,94.055) 133.228,94.055 133.429,93.854 133.556,93.854 136.365,96.663 138.396,96.663 141.39,99.657 170.054,99.657 173.736,103.34 173.736,116.84 175.387,118.491 178.844,118.491 179.832,117.503 179.832,113.081 180.493,112.42 180.619,112.42 180.708,112.51 180.708,113.144 CON8.12A@180.975,113.411
  Bottom Layer w0.254: v1(133.111,94.055) U8.6@133.111,95.666
SPI2_IM: CON8.10A T1.9 | length 7.1
  Top Layer w0.152: T1.9@171.958,109.261 173.441,109.261 175.006,107.696 CON8.10A@178.435,107.696
SPI2_IN: U7.3 U31E.20 | length 8.4
  Bottom Layer w0.152: U31E.20@128.477,113.615 134.086,113.615 135.061,112.64 U7.3@135.061,111.273
SPI2_IN_N: CON8.5A U7.1 | length 43.7
  Int2 (Sign) w0.152: v1(136.322,109.22) 136.344,109.242 136.344,109.647 136.761,110.064 139.949,110.064 142.469,107.544 174.904,107.544 CON8.5A@175.895,106.553
  Bottom Layer w0.254: v1(136.322,109.22) 136.342,109.24 136.342,111.253 U7.1@136.361,111.273
SPI2_IN_P: CON8.4A U7.2 | length 43.2
  Int2 (Sign) w0.152: v1(135.728,109.867) 135.75,109.889 136.155,109.889 136.635,110.369 140.075,110.369 140.19,110.254 140.228,110.254 142.634,107.848 174.904,107.848 CON8.4A@175.895,108.839
  Bottom Layer w0.254: U7.2@135.711,111.273 135.724,111.26 135.724,109.87 v1(135.728,109.867)
SPI2_IP: CON8.9A T1.11 | length 7.2
  Top Layer w0.152: T1.11@171.958,111.801 173.568,111.801 175.387,109.982 CON8.9A@178.435,109.982
SPI2_OUT: U8.1 U31F.20 | length 9.9
  Bottom Layer w0.152: U31F.20@128.252,98.366 134.803,98.366 136.361,96.807 U8.1@136.361,95.666
SPI2_OUT_N: CON8.15A U8.3 | length 55.9
  Int3 (Sign) w0.152: v1(135.001,93.091) 135.125,93.091 135.31,93.277 135.445,93.277 135.505,93.217 137.54,93.217 142.748,98.425 171.399,98.425 180.518,107.544 180.886,107.544 180.975,107.454 CON8.15A@180.975,106.553 CON8.15A@180.708,106.82
  Bottom Layer w0.254: v1(135.001,93.091) 135.033,93.123 135.033,95.638 U8.3@135.061,95.666
SPI2_OUT_P: CON8.14A U8.2 | length 54.5
  Int3 (Sign) w0.152: v1(135.728,94.055) 135.728,93.931 135.542,93.745 135.542,93.611 135.631,93.521 137.413,93.521 142.622,98.73 171.273,98.73 180.392,107.848 180.886,107.848 180.975,107.938 CON8.14A@180.975,108.839
  Bottom Layer w0.254: U8.2@135.711,95.666 135.72,95.657 135.72,94.063 v1(135.728,94.055)
SPI3_IM: CON8.8B T2.14 | length 21.8
  Top Layer w0.152: T2.14@171.663,101.285 176.393,101.285 178.359,103.251 182.118,103.251 184.302,105.435 184.302,110.769 CON8.8B@185.801,112.268
SPI3_IN: U7.13 U31E.19 | length 7.8
  Bottom Layer w0.152: U31E.19@128.477,114.265 133.434,114.265 134.411,115.243 U7.13@134.411,116.673
SPI3_IN_N: CON8.3B U7.15 | length 58.9
  Int2 (Sign) w0.152: v1(135.711,118.897) 135.69,118.876 135.69,118.453 135.78,118.364 183.311,118.364 184.709,116.966 184.709,112.955 183.869,112.116 183.617,112.116 183.528,112.026 183.528,111.392 CON8.3B@183.261,111.125
  Bottom Layer w0.254: U7.15@135.711,116.673 v1(135.711,118.897)
SPI3_IN_P: CON8.2B U7.14 | length 57.3
  Int2 (Sign) w0.152: v1(135.082,118.165) 135.103,118.186 135.526,118.186 135.653,118.059 183.185,118.059 184.404,116.84 184.404,113.081 183.743,112.42 183.617,112.42 183.528,112.51 183.528,113.144 CON8.2B@183.261,113.411
  Bottom Layer w0.152: U7.14@135.061,116.673 U7.14@135.072,116.683 ; v1@135.072,118.155 v1(135.082,118.165)
  Bottom Layer w0.254: U7.14@135.072,116.683 v1@135.072,118.155
SPI3_IP: CON8.7B T2.16 | length 22.1
  Top Layer w0.152: T2.16@171.663,103.825 179.975,103.825 182.118,105.969 182.118,111.76 182.626,112.268 184.022,112.268 184.709,112.955 184.709,113.411 185.687,114.389 CON8.7B@185.687,114.44